# Altium PCB tester.PcbDoc (part 2 of 2)
Units mm, origin at the board's own origin, x right, y up, seen from the top; angles counter-clockwise.
Board outline 84.15 x 90.65 mm, 4 copper layers (Top Layer, Layer 2, Layer 3, Bottom Layer), stack 1.369 mm thick; 124 components, 130 nets, 531 pads, 136 vias.
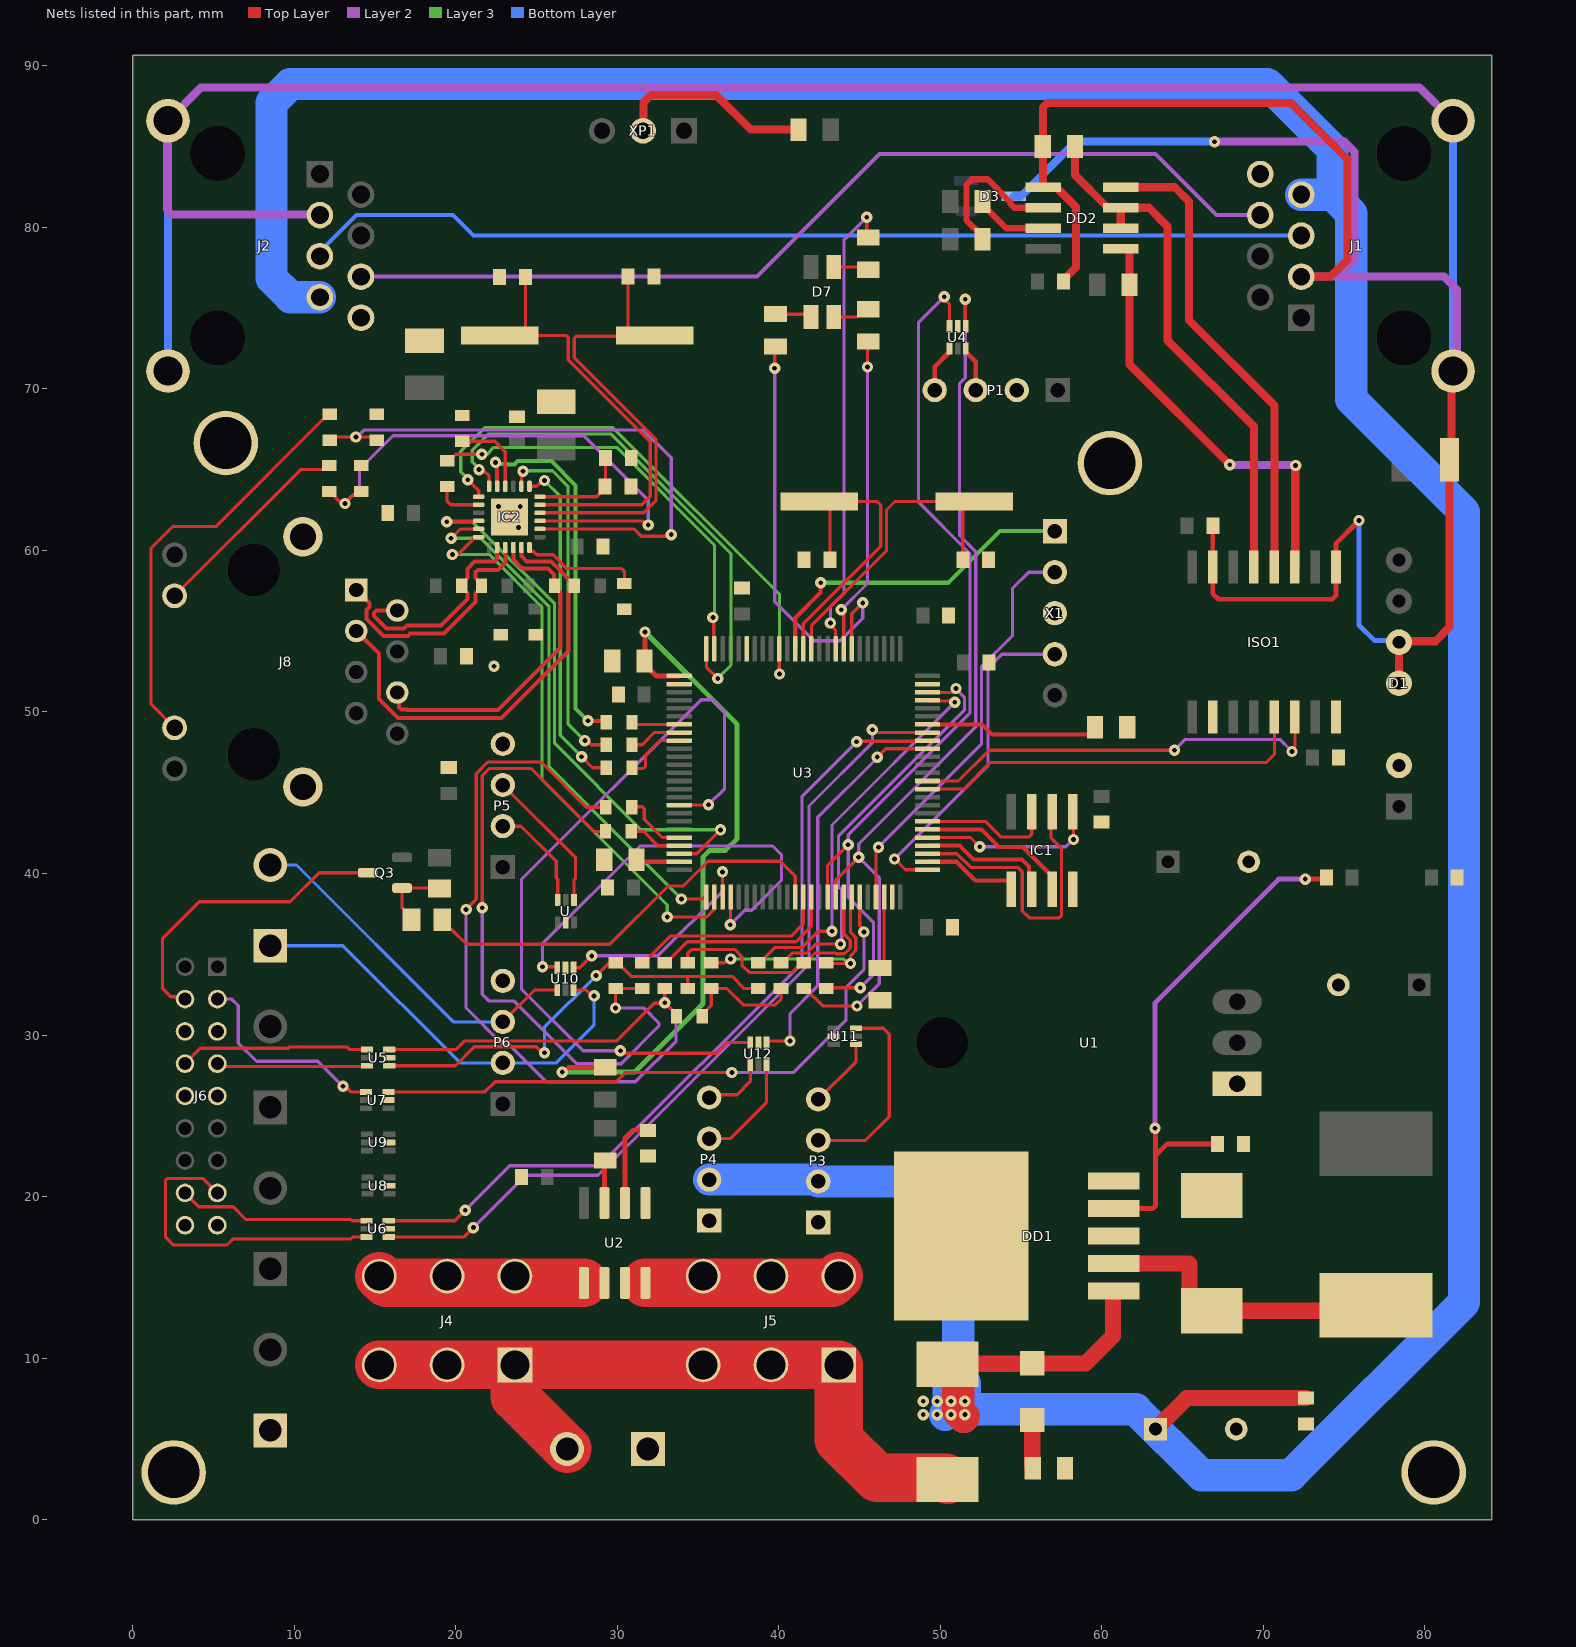
[diagram p4: the nets of this part, all layers, seen from the top]

## Via types
v1: diameter 0.7, hole 0.3, Top Layer to Bottom Layer, tented both sides, 135 vias
v2: diameter 0.7, hole 0.3, Top Layer to Bottom Layer, 1 vias

## Nets (pads, with @x,y where several pads share a name; then routed paths per layer and width w, separated by ;. In a path a pad name is that pad's centre, name@x,y a point inside that pad or via, vN(x,y) a via of type N, cw(c..) or ccw(c..) an arc to the next point about the centre after c; other vN are vias at no path point) (continued)
FAN2_IN: U3.91 U12.1 | length 24.6
  Top Layer w0.2: U12.1@39.25,29.54 39.25,29.55 39.325,29.625 v1(40.7,29.625) ; v1(46.1,47.2) 46.625,47.725 U3.91@49.205,47.725
  Layer 2 w0.2: v1(40.7,29.625) 40.7,31.325 42.425,33.05 42.425,43.475 46.1,47.15 v1(46.1,47.2)
FAN2_OUT: U3.42 U12.3 | length 48.3
  Top Layer w0.2: v1(30.201,29.025) 30.226,29.025 30.376,28.875 36.15,28.875 36.815,29.54 U12.3@38.25,29.54 ; U3.42@33.845,44.225 33.858,44.238 35.638,44.238 v1(35.65,44.25)
  Layer 2 w0.2: v1(30.201,29.025) 27.9,29.025 24.075,32.85 24.075,39.625 35.2,50.75 35.875,50.75 36.65,49.975 36.65,45.25 v1(35.65,44.25)
GND: C2.1 C3.2 C4.1 C5.2 C6.2 C9.1 C10.1 C11.2 C12.2 C13.2 C14.2 C15.1 C16.1 C17.1 C18.1 C19.2 C20.2 C21.1 C22.2 C23.2 C24.2 C25.2 C26.2 C27.2 C28.1 C29.2 C30.2 C31.2 C32.2 C33.1 C34.1 C35.2 D1.2 D2.A DD1.3 DD1.5 DD1.6 IC1.4 IC2.25 ISO1.2 ISO1.8 J1.8 J2.8 J3.1 J5.2 J5.4 J5.6 J6.5 J6.6 J6.9 J6.10 J6.17 J6.18 J7.1 J8.15 J8.16 P1.2 P3.1 P4.1 P5.4 P6.4 pad.6 R2.2 R6.2 R12.2 R25.1 R39.1 R41.2 R45.1 R46.1 U1.1 U2.3 U2.4 U2.5 U3.20 U3.27 U3.74 U3.99 U4.2 U5.2 U6.2 U7.2 U8.2 U9.2 U10.2 U11.2 U12.2 U.2 X1.3 | length 12.1
  Top Layer w3: U2.4@31.755,14.65 43.3,14.65 J5.2@43.725,15.075
  other v1: 22.375,52.825 23.9,61.425 22.65,62.725 24,62.725
GND_ISO: C1.1 C7.1 C8.1 D1.4 D1.5 D3.3 DD2.5 ISO1.9 ISO1.15 J1.3 J1.S1 J1.S2 J2.3 J2.S1 J2.S2 R7.2 | length 264.5
  Top Layer w0.3: C7.1@66.875,61.525 ISO1.15@66.875,58.965 66.875,57.325 67.225,56.975 74.275,56.975 74.495,57.195 ISO1.9@74.495,58.965 74.495,60.42 v1(75.925,61.85)
  Top Layer w0.5: C8.1@57.625,76.65 57.625,76.75 58.4,77.525 58.4,81.255 57.225,82.43 57.175,82.48 DD2.5@56.375,82.48 56.35,82.505 R7.2@56.35,85 56.35,87.407 56.643,87.7 71.725,87.7 75.2,84.225 75.2,77.975 74.17,76.945 J1.3@72.35,76.945 ; D1.4@78.4,51.775 D1.5@78.4,54.315 78.46,54.375 80.65,54.375 81.525,55.25 C1.1@81.525,65.6 81.637,65.713 81.637,70.988 J1.S1@81.75,71.1
  Layer 2 w0.5: J2.3@11.6,80.755 11.555,80.8 2.418,80.8 2.125,81.093 2.125,86.525 J2.S1@2.2,86.6 4.25,88.65 79.675,88.65 81.725,86.6 J1.S2@81.75,86.6 ; v2(66.975,85.3) 75.025,85.3 75.65,84.675 75.65,77.975 74.62,76.945 ; J1.3@72.35,76.945 74.62,76.945 ; J1.S1@81.75,71.1 81.975,71.325 81.975,76.15 81.18,76.945 74.62,76.945
  Bottom Layer w0.3: v1(75.925,61.85) 75.925,55.375 76.875,54.425 78.29,54.425 D1.5@78.4,54.315
  Bottom Layer w0.5: J2.S2@2.2,71.1 J2.S1@2.2,86.6 ; J2.3@11.53,80.825 J2.3@11.6,80.755 ; D3.3@54.55,81.925 55,81.925 58.375,85.3 v2(66.975,85.3) ; J1.S1@81.75,71.1 81.75,75.2 J1.S2@81.75,86.6
NetC9_2: C9.2 U2.6 | length 5.6
  Top Layer w0.3: U2.6@30.485,19.6 30.485,23.61 30.975,24.1 C9.2@31.9,24.1
NetC14_1: C14.1 U3.73 | length 4.5
  Top Layer w0.2: C14.1@46.275,34.15 46.525,34.4 U3.73@46.525,38.545
NetC15_2: C15.2 Q1.2 U3.12 | length 19.9
  Top Layer w0.2: U3.12@42.025,53.905 42.025,55.324 46.675,59.974 46.675,62.5 47.2,63.025 Q1.2@51.85,63.025 ; C15.2@51.4,59.425 51.4,62.575 Q1.2@51.85,63.025 ; Q1.2@52.1,63.025 Q1.2@51.85,63.025
NetC17_2: C17.2 Q1.1 U3.13 | length 18.6
  Top Layer w0.2: U3.13@41.525,53.905 41.525,55.45 46.325,60.25 46.325,62.8 46.1,63.025 Q1.1@42.725,63.025 ; Q1.1@42.5,63.025 Q1.1@42.725,63.025 ; C17.2@43.175,59.425 43.175,62.575 Q1.1@42.725,63.025
NetC21_2: C21.2 U3.49 | length 2.7
  Top Layer w0.3: C21.2@31.2,40.85 31.325,40.725 U3.49@33.845,40.725
NetC30_1: C30.1 C31.1 IC2.6 | length 6.1
  Top Layer w0.2: IC2.6@25.22,63.325 28.725,63.325 29.25,63.85 C30.1@29.25,63.95 29.275,63.975 C31.1@29.275,65.725
NetC33_2: C33.2 IC2.4 Q2.1 | length 29.8
  Top Layer w0.2: IC2.4@25.22,62.325 31.65,62.325 32.4,63.075 32.4,66.87 27.35,71.92 27.35,73.133 27.467,73.25 31.125,73.25 Q2.1@31.175,73.3 ; C33.2@30.675,76.95 30.675,73.75 31.125,73.3 Q2.1@31.175,73.3 ; Q2.1@31.175,73.2 32.225,73.2 Q2.1@32.325,73.3 32.225,73.3 Q2.1@31.175,73.3
NetC34_2: C34.2 IC2.5 Q2.2 | length 27.1
  Top Layer w0.2: Q2.2@22.725,73.3 Q2.2@23.875,73.3 ; C34.2@24.325,76.925 24.325,73.75 Q2.2@23.875,73.3 ; IC2.5@25.22,62.825 31.525,62.825 32.05,63.35 32.05,66.725 26.975,71.8 26.975,73.183 26.858,73.3 Q2.2@23.875,73.3
NetD2_C: D2.C DD1.2 L1.P$1 | length 18.7
  Top Layer w1: DD1.2@60.75,15.85 65.4,15.85 65.425,15.825 65.425,13.828 66.322,12.932 D2.C@66.8,12.932 76.632,12.932 L1.P$1@76.975,13.275
NetD4_2: D4.2 R6.1 | length 3
  Top Layer w1: D4.2@55.7,6.175 55.7,3.4 55.725,3.375 R6.1@55.725,3.175
NetD6_A: D6.A J3.2 J4.1 J4.3 J4.5 J5.1 J5.3 J5.5 | length 47.4
  Top Layer w3: J4.5@15.275,9.575 J4.1@23.675,9.575 ; J3.2@26.9,4.375 23.675,7.6 J4.1@23.675,9.575 ; D6.A@50.45,2.482 50.347,2.585 46.098,2.585 43.725,4.957 J5.1@43.725,9.575 J5.3@39.525,9.575 J5.5@35.325,9.575 J4.1@23.675,9.575
NetD7_2: D7.2 R15.2 | length 2.2
  Top Layer w0.2: D7.2@43.4,77.55 45.375,77.55 R15.2@45.55,77.375
NetD7_3: D7.3 R13.2 | length 2.3
  Top Layer w0.2: R13.2@39.8,74.625 41.825,74.625 D7.3@42,74.45
NetD7_4: D7.4 R14.2 | length 2.3
  Top Layer w0.2: D7.4@43.4,74.45 44.875,74.45 45.35,74.925 R14.2@45.55,74.925
NetDD1_4: DD1.4 R1.1 R2.1 | length 33.2
  Top Layer w0.3: DD1.4@60.75,19.25 63.149,19.25 63.325,19.426 63.325,22.55 ; v1(63.3,24.225) 63.325,24.2 63.325,22.55 ; R2.1@67.175,23.25 64.025,23.25 63.325,22.55 ; v1(72.6,39.65) 73.8,39.65 R1.1@73.9,39.75
  Layer 2 w0.3: v1(63.3,24.225) 63.3,32 70.95,39.65 v1(72.6,39.65)
NetDD2_1: DD2.1 ISO1.11 R8.2 | length 26.9
  Top Layer w0.5: DD2.1@61.175,78.67 61.675,78.67 61.725,78.62 R8.2@61.725,76.45 61.725,71.5 v1(67.925,65.3) ; ISO1.11@71.955,58.965 71.977,58.987 71.977,65.227 v1(72,65.25)
  Layer 2 w0.5: v1(67.925,65.3) 67.95,65.275 71.975,65.275 v1(72,65.25)
NetDD2_2: DD2.2 DD2.3 ISO1.13 R7.1 | length 33.4
  Top Layer w0.5: R7.1@58.35,85 58.35,83.235 60.375,81.21 DD2.3@61.175,81.21 ; DD2.2@61.175,79.94 DD2.3@61.175,81.21 ; ISO1.13@69.415,58.965 69.415,67.66 64.075,73 64.075,80.05 62.915,81.21 DD2.3@61.175,81.21
NetDD2_4: DD2.4 ISO1.12 | length 29.4
  Top Layer w0.5: DD2.4@61.175,82.48 64.52,82.48 65.4,81.6 65.4,74.25 70.685,68.965 ISO1.12@70.685,58.965
NetDD2_6: DD2.6 R5.2 | length 9.5
  Top Layer w0.381: R5.2@52.625,79.25 52.625,79.45 51.625,80.45 51.625,82.625 51.975,82.975 52.932,82.975 54.35,81.557 54.35,81.45 54.59,81.21 DD2.6@56.375,81.21
NetDD2_7: DD2.7 R4.2 | length 4.6
  Top Layer w0.381: R4.2@52.625,81.6 52.625,81.4 54.085,79.94 DD2.7@56.375,79.94
NetIC1_1: IC1.1 U3.77 | length 6.1
  Top Layer w0.254: U3.77@49.205,40.725 51,40.725 52.168,39.557 54.222,39.557 54.395,39.384 IC1.1@54.395,39.025
NetIC1_2: IC1.2 U3.79 | length 8.3
  Top Layer w0.254: U3.79@49.205,41.725 51.2,41.725 52.05,40.875 55.058,40.875 55.492,40.441 55.492,39.198 IC1.2@55.665,39.025
NetIC1_3: IC1.3 U3.81 | length 9.7
  Top Layer w0.254: U3.81@49.205,42.725 52.55,42.725 53.625,41.65 55.11,41.65 56.935,39.825 IC1.3@56.935,39.025
NetIC1_5: IC1.5 U3.80 | length 11.2
  Top Layer w0.2: U3.80@49.205,42.225 51.875,42.225 v1(52.45,41.65) ; IC1.5@58.205,43.825 58.25,43.78 v1(58.25,42.1)
  Layer 2 w0.2: v1(52.45,41.65) 57.781,41.65 58.231,42.1 v1(58.25,42.1)
NetIC1_6: IC1.6 U3.78 | length 18.2
  Top Layer w0.2: U3.78@49.205,41.225 51.033,41.225 51.883,40.375 54.799,40.375 55.075,40.099 55.075,37.675 55.5,37.25 57.383,37.25 57.5,37.367 57.5,41.55 56.85,42.2 56.85,43.74 IC1.6@56.935,43.825
NetIC1_7: IC1.7 U3.82 | length 8.3
  Top Layer w0.2: U3.82@49.205,43.225 52.8,43.225 53.775,42.25 55.475,42.25 55.665,42.44 IC1.7@55.665,43.825
NetIC2_2: IC2.2 R44.1 R46.2 | length 36.6
  Top Layer w0.2: R44.1@12.2,66.825 12.4,67.025 v1(13.825,67.025) 14.925,67.025 R46.2@15.125,66.825 ; IC2.2@25.22,61.325 31.05,61.325 31.5,60.875 32.983,60.875 32.987,60.879 33.254,60.879 v1(33.35,60.975)
  Layer 2 w0.2: v1(13.825,67.025) 13.894,67.025 14.319,67.45 31.625,67.45 33.35,65.725 v1(33.35,60.975)
NetIC2_3: IC2.3 R42.1 R45.2 | length 33.8
  Top Layer w0.2: R42.1@12.175,63.65 12.918,62.907 v1(13.15,62.907) 13.643,63.4 13.9,63.4 R45.2@14.15,63.65 ; IC2.3@25.22,61.825 31.558,61.825 31.808,61.575 v1(31.925,61.575)
  Layer 2 w0.2: v1(13.15,62.907) 14.05,63.807 14.05,65.025 16.125,67.1 27.925,67.1 31.925,63.1 v1(31.925,61.575)
NetIC2_7: IC2.7 R38.2 | length 20.9
  Top Layer w0.2: IC2.7@24.575,63.97 25.015,63.97 25.37,64.325 v1(25.5,64.325) ; v1(27.8,47.225) 28.475,46.55 R38.2@29.325,46.55
  Layer 3 w0.2: v1(25.5,64.325) 26.475,63.35 26.475,48.55 v1(27.8,47.225)
NetIC2_8: IC2.8 R37.2 | length 21.8
  Top Layer w0.2: IC2.8@24.075,63.97 24.088,63.982 24.088,64.813 v1(24.175,64.9) ; v1(28,48.225) 28.135,48.225 28.385,47.975 R37.2@29.325,47.975
  Layer 3 w0.2: v1(24.175,64.9) 24.2,64.925 26,64.925 26.95,63.975 26.95,49.275 v1(28,48.225)
NetIC2_10: IC2.10 R39.2 | length 5.1
  Top Layer w0.2: R39.2@20.4,66.75 22.425,66.75 23.075,66.1 IC2.10@23.075,63.97
NetIC2_11: IC2.11 R40.2 | length 23.3
  Top Layer w0.25: v1(22.475,65.447) 22.475,65.325 22.563,65.238 22.563,63.982 IC2.11@22.575,63.97 ; v1(28.2,49.45) 29.25,49.45 R40.2@29.325,49.375
  Layer 3 w0.25: v1(22.475,65.447) 22.561,65.361 23.183,65.361 23.219,65.325 23.641,65.325 23.841,65.525 25.93,65.525 27.425,64.03 27.425,50.225 v1(28.2,49.45)
NetIC2_14: IC2.14 R43.2 | length 2.9
  Top Layer w0.2: R43.2@19.475,63.95 19.475,63.05 19.7,62.825 IC2.14@21.43,62.825
NetIC2_24: IC2.24 R41.1 | length 7.4
  Top Layer w0.2: IC2.24@24.575,60.18 24.575,59.986 24.615,59.946 24.809,59.946 25.03,59.725 26.042,59.725 26.892,58.875 30.275,58.875 30.45,58.7 R41.1@30.45,57.95
NetJ1_5: J1.5 J2.5 | length 62.5
  Bottom Layer w0.25: J2.5@11.6,78.215 11.6,78.501 13.874,80.775 19.825,80.775 21.115,79.485 J1.5@72.35,79.485
NetJ1_6: J1.6 J2.6 | length 60.4
  Layer 2 w0.25: J2.6@14.14,76.945 38.67,76.945 46.25,84.525 63.325,84.525 67.095,80.755 J1.6@69.81,80.755
NetJ4_2: J4.2 J4.4 J4.6 U2.1 U2.2 | length 12.8
  Top Layer w3: J4.6@15.275,15.075 15.7,14.65 U2.1@27.945,14.65
NetJ6_3: J6.3 U7.4 | length 13
  Top Layer w0.2: v1(13.025,26.825) 13.16,26.825 13.51,26.475 U7.4@14.46,26.475
  Layer 2 w0.2: J6.3@5.25,32.225 6.15,32.225 6.55,31.825 6.55,29.5 7.675,28.375 11.475,28.375 v1(13.025,26.825)
NetJ6_4: J6.4 Q3.3 | length 19.1
  Top Layer w0.2: J6.4@3.25,32.225 3.1,32.375 2.375,32.375 1.85,32.9 1.85,35.958 4.142,38.25 9.75,38.25 11.55,40.05 Q3.3@14.565,40.05
NetJ6_7: J6.7 U5.6 | length 9.4
  Top Layer w0.2: J6.7@5.25,28.225 5.425,28.05 14.46,28.05 U5.6@14.51,28.1
NetJ6_8: J6.8 U5.4 | length 11.7
  Top Layer w0.2: J6.8@3.25,28.225 4.2,29.175 9.637,29.175 9.712,29.25 13.299,29.25 13.449,29.1 U5.4@14.51,29.1
NetJ6_15: J6.15 U6.6 | length 20
  Top Layer w0.2: J6.15@5.25,20.225 4.35,21.125 2.167,21.125 2.05,21.008 2.05,17.475 2.525,17 5.85,17 6.225,17.375 13.524,17.375 13.649,17.5 U6.6@14.485,17.5
NetJ6_16: J6.16 U6.4 | length 11.9
  Top Layer w0.2: J6.16@3.25,20.225 4.1,19.375 6.225,19.375 7.025,18.575 13.524,18.575 13.599,18.5 U6.4@14.485,18.5
NetJ8_10: J8.10 R42.2 | length 12.9
  Top Layer w0.2: J8.10@2.6,57.185 10.415,65 11.925,65 R42.2@12.175,65.25
NetJ8_11: J8.11 R44.2 | length 26.2
  Top Layer w0.2: J8.11@2.6,49.015 1.15,50.465 1.15,60.15 2.475,61.475 5.15,61.475 12.1,68.425 R44.2@12.2,68.425
NetP1_3: P1.3 U4.6 | length 2.8
  Top Layer w0.3: U4.6@51.575,72.495 51.575,72.295 52.2,71.67 P1.3@52.2,69.925
NetP1_4: P1.4 U4.4 | length 2.9
  Top Layer w0.3: P1.4@49.66,69.925 49.66,71.38 50.575,72.295 U4.4@50.575,72.495
NetP3_3: P3.3 U11.6 | length 12.3
  Top Layer w0.2: P3.3@42.45,23.475 45.375,23.475 46.85,24.95 46.85,30.049 46.474,30.425 U11.6@44.79,30.425
NetP3_4: P3.4 U11.4 | length 4.4
  Top Layer w0.2: P3.4@42.45,26.015 44.79,28.355 U11.4@44.79,29.425
NetP4_3: P4.3 U12.6 | length 6.8
  Top Layer w0.2: P4.3@35.7,23.59 36.99,23.59 39.25,25.85 U12.6@39.25,28.16
NetP4_4: P4.4 U12.4 | length 4
  Top Layer w0.2: P4.4@35.7,26.13 35.87,26.3 37.425,26.3 38.25,27.125 U12.4@38.25,28.16
NetP5_2: P5.2 U.6 | length 6.6
  Top Layer w0.2: P5.2@22.925,42.935 22.935,42.925 24.05,42.925 26.225,40.75 26.225,39.74 26.325,39.64 U.6@26.325,38.355
NetP5_3: P5.3 U.4 | length 9
  Top Layer w0.2: P5.3@22.925,45.475 27.425,40.975 27.425,39.714 27.325,39.614 U.4@27.325,38.355
NetQ3_1: Q3.1 R47.1 R48.2 | length 4.5
  Top Layer w0.2: R48.2@17.275,37.125 17.275,37.275 16.685,37.865 Q3.1@16.685,39.1 18.975,39.1 R47.1@19,39.075
NetR3_1: R3.1 XP1.2 | length 12.4
  Top Layer w0.5: XP1.2@31.6,85.975 31.625,86 31.625,87.725 32.1,88.2 36.125,88.2 38.275,86.05 R3.1@41.225,86.05
NetR9_1: R9.1 U2.7 | length 2.6
  Top Layer w0.3: U2.7@29.215,19.6 29.215,22.165 R9.1@29.275,22.225
NetR10_1: R10.1 U3.98 | length 25.5
  Top Layer w0.2: R10.1@40.144,34.475 40.244,34.475 40.844,35.075 41.755,35.075 42.307,35.627 v1(43.827,35.627) ; U3.98@49.205,51.225 49.23,51.2 50.833,51.2 50.975,51.342 v1(50.975,51.447)
  Layer 2 w0.2: v1(43.827,35.627) 43.9,35.7 43.9,38.976 43.7,39.176 43.7,42.295 51.5,50.095 51.5,50.922 v1(50.975,51.447)
NetR11_1: R11.1 U3.97 | length 24.5
  Top Layer w0.2: R11.1@38.725,34.475 38.825,34.475 39.775,35.425 41.45,35.425 42.45,36.425 v1(43.3,36.425) ; U3.97@49.205,50.725 49.245,50.685 50.815,50.685 v1(50.9,50.6)
  Layer 2 w0.2: v1(43.3,36.425) 43.3,43 v1(50.9,50.6)
NetR12_1: R12.1 U3.94 | length 10.9
  Top Layer w0.254: U3.94@49.205,49.225 52.575,49.225 53.2,48.6 59.202,48.6 59.575,48.973 R12.1@59.575,49.05
NetR13_1: R13.1 U3.7 | length 26.9
  Top Layer w0.2: v1(39.75,71.275) 39.75,72.575 R13.1@39.8,72.625 ; U3.7@44.525,53.905 44.525,56.075 v1(45.2,56.75)
  Layer 2 w0.2: v1(39.75,71.275) 39.75,56.825 42.175,54.4 43.8,54.4 45.2,55.8 v1(45.2,56.75)
NetR14_1: R14.1 U3.8 | length 19.8
  Top Layer w0.2: v1(43.875,56.325) 43.875,56.19 44.025,56.04 U3.8@44.025,53.905 ; v1(45.5,71.35) 45.5,72.875 R14.1@45.55,72.925
  Layer 2 w0.2: v1(43.875,56.325) 45.5,57.95 v1(45.5,71.35)
NetR15_1: R15.1 U3.9 | length 29.1
  Top Layer w0.2: v1(43.2,55.5) 43.2,55.365 43.525,55.04 U3.9@43.525,53.905 ; v1(45.45,80.625) 45.45,79.475 R15.1@45.55,79.375
  Layer 2 w0.2: v1(43.2,55.5) 43.2,56.499 44.05,57.349 44.05,79.225 v1(45.45,80.625)
NetR18_1: R18.1 R20.1 U3.69 | length 14.8
  Top Layer w0.2: R20.1@35.825,34.475 36.665,34.475 36.89,34.7 v1(37.025,34.7) ; R18.1@42.95,34.475 43,34.425 v1(44.45,34.425) 44.45,34.906 44.777,35.233 44.777,36.02 44.45,36.347 44.45,38.47 U3.69@44.525,38.545
  Layer 3 w0.2: v1(37.025,34.7) 44.04,34.7 44.315,34.425 v1(44.45,34.425)
NetR19_1: R19.1 R21.1 U3.68 | length 15.5
  Top Layer w0.2: R21.1@34.375,34.475 34.375,35.05 34.625,35.3 37.274,35.3 37.722,34.851 37.722,34.324 38.171,33.875 40.85,33.875 41.45,34.475 R19.1@41.55,34.475 ; R19.1@41.65,34.475 42.25,35.075 43.504,35.075 43.552,35.027 44.076,35.027 44.427,35.378 44.427,35.875 44.025,36.277 U3.68@44.025,38.545
NetR22_1: R22.1 U3.64 | length 11.8
  Top Layer w0.2: R22.1@32.95,34.475 33.05,34.475 34.35,35.775 41.075,35.775 42.025,36.725 U3.64@42.025,38.545
NetR23_1: R23.1 U3.63 | length 12.6
  Top Layer w0.2: R23.1@31.55,34.475 31.65,34.475 33.3,36.125 40.775,36.125 41.525,36.875 U3.63@41.525,38.545
NetR24_1: R24.1 R25.2 U3.26 | length 44.5
  Top Layer w0.3: v1(26.6,27.7) 26.708,27.7 27.008,28 R24.1@29.275,28 ; v1(31.725,54.95) 31.725,53.175 R25.2@31.7,53.15 31.7,52.95 32.425,52.225 U3.26@33.845,52.225
  Layer 3 w0.3: v1(26.6,27.7) 31.075,27.7 35.325,31.95 35.325,41.025 35.725,41.425 36.7,41.425 37.425,42.15 37.425,49.25 v1(31.725,54.95)
NetR26_1: R26.1 U3.47 | length 3.3
  Top Layer w0.2: R26.1@30.875,42.6 31.65,42.6 32.525,41.725 U3.47@33.845,41.725
NetR27_1: R27.1 U3.46 | length 4.1
  Top Layer w0.2: R27.1@30.9,44.1 30.925,44.125 31.558,44.125 31.675,44.008 31.675,43.35 32.8,42.225 U3.46@33.845,42.225
NetU3_72: U3.72 X1.2 | length 25.6
  Top Layer w0.2: U3.72@46.025,38.545 46.025,41.34 46.175,41.49 v1(46.175,41.625)
  Layer 2 w0.2: v1(46.175,41.625) 52.55,48 52.55,52.795 54.475,54.72 54.475,57.65 55.475,58.65 X1.2@57.1,58.65
NetU3_76: U3.76 X1.4 | length 21
  Top Layer w0.2: v1(47.175,40.9) 47.85,40.225 U3.76@49.205,40.225
  Layer 2 w0.2: v1(47.175,40.9) 52.95,46.675 52.95,52.7 53.82,53.57 X1.4@57.1,53.57
OLED_CLK: R19.2 U3.67 U4.1 | length 56.9
  Top Layer w0.2: R19.2@41.55,32.875 41.65,32.875 42.725,31.8 v1(44.85,31.8) ; U3.67@43.525,38.545 43.525,39.575 v1(44.95,41) ; v1(51.55,75.55) 51.563,75.537 51.563,73.888 U4.1@51.575,73.875
  Layer 2 w0.2: v1(44.85,31.8) 46.225,33.175 46.225,39.725 v1(44.95,41) 44.95,41.825 52.2,49.075 52.2,59.923 51.2,60.923 51.2,70.339 51.55,70.689 v1(51.55,75.55)
OLED_DAT: R18.2 U3.66 U4.3 | length 56.7
  Top Layer w0.2: R18.2@42.95,32.875 43,32.925 v1(45.05,32.925) ; U3.66@43.025,38.545 43.025,40.5 v1(44.3,41.775) ; v1(50.25,75.7) 50.25,75.565 50.575,75.24 U4.3@50.575,73.875
  Layer 2 w0.2: v1(45.05,32.925) 45.875,33.75 45.875,36.952 44.3,38.527 v1(44.3,41.775) 44.3,42.4 51.85,49.95 51.85,59.778 48.66,62.968 48.66,74.11 v1(50.25,75.7)
P1_RX_N: IC2.22 J8.6 R28.1 | length 21
  Top Layer w0.25: J8.6@16.39,51.2 16.493,51.097 16.493,50.284 16.64,50.138 17.002,50.138 17.015,50.125 22.625,50.125 26.486,53.985 26.486,57.365 26.125,57.725 R28.1@26.125,57.825 26.096,57.854 26.096,58.504 25.725,58.875 24.21,58.875 24.17,58.915 24.094,58.915 23.571,59.438 23.571,60.176 IC2.22@23.575,60.18
P1_RX_P: IC2.23 J8.3 R29.1 | length 27.6
  Top Layer w0.25: J8.3@13.85,55.01 15.25,53.61 15.25,50.815 16.431,49.634 16.793,49.634 16.806,49.621 22.834,49.621 25.078,51.865 25.256,52.044 26.99,53.777 26.99,57.365 27.35,57.725 27.35,57.925 27.125,58.15 27.046,58.15 26.546,58.65 26.546,58.69 25.911,59.325 24.396,59.325 24.202,59.519 24.075,59.646 IC2.23@24.075,60.18
P1_TX_N: IC2.20 J8.2 R30.1 | length 13.5
  Top Layer w0.25: J8.2@16.39,56.28 15.094,56.28 14.947,56.134 14.947,55.926 15.71,55.164 16.793,55.164 16.979,55.35 19.086,55.35 20.736,57 20.736,57.364 20.375,57.725 R30.1@20.375,57.825 20.375,57.925 20.736,58.286 20.736,58.862 21.177,59.304 22.419,59.304 22.575,59.46 IC2.20@22.575,60.18
P1_TX_P: IC2.21 J8.1 R31.1 | length 15.4
  Top Layer w0.25: J8.1@13.85,57.55 14.671,56.729 14.671,56.494 14.497,56.32 14.497,55.74 15.523,54.714 17.056,54.714 17.188,54.846 19.294,54.846 21.24,56.791 21.24,57.365 21.6,57.725 R31.1@21.6,57.825 21.6,57.925 21.24,58.285 21.24,58.653 21.386,58.8 22.628,58.8 23.079,59.251 23.079,60.176 IC2.21@23.075,60.18
PIC_SCL: U3.92 U6.3 | length 51.7
  Top Layer w0.2: U6.3@15.865,18.5 19.95,18.5 v1(20.6,19.15) ; v1(44.825,48.15) 44.863,48.188 49.167,48.188 U3.92@49.205,48.225
  Layer 2 w0.2: v1(20.6,19.15) 23.35,21.9 28.895,21.9 41.45,34.455 41.45,44.775 v1(44.825,48.15)
PIC_SDA: U3.93 U6.1 | length 52.6
  Top Layer w0.2: U6.1@15.865,17.5 20.525,17.5 v1(21.1,18.075) ; v1(45.8,48.9) 45.935,48.9 46.11,48.725 U3.93@49.205,48.725
  Layer 2 w0.2: v1(21.1,18.075) 24.35,21.325 28.815,21.325 41.875,34.385 41.875,44.175 45.8,48.1 v1(45.8,48.9)
PWR3v: R48.1 U3.62 | length 26.3
  Top Layer w0.2: R48.1@19.175,37.125 19.175,36.975 19.625,36.525 19.775,36.525 20.675,35.625 29.551,35.625 33.151,39.225 34.098,39.225 35.623,40.75 40.1,40.75 41.025,39.825 U3.62@41.025,38.545
RESET: U3.14 X1.1 | length 20.6
  Top Layer w0.254: U3.14@41.025,53.905 41.025,55.804 42.6,57.379 v1(42.6,58)
  Layer 3 w0.254: v1(42.6,58) 50.5,58 53.69,61.19 X1.1@57.1,61.19
RESET_A: U3.70 U7.3 | length 38.3
  Top Layer w0.2: U7.3@15.84,26.475 21.816,26.475 22.441,27.1 29.929,27.1 30.504,27.675 v1(37.1,27.675) ; U3.70@45.025,38.545 45.025,36.76 45.275,36.51 v1(45.275,36.375)
  Layer 2 w0.2: v1(37.1,27.675) 40.9,27.675 44.175,30.95 44.175,32.95 45.275,34.05 v1(45.275,36.375)
RMII_CRS_DV: R40.1 U3.32 | length 3
  Top Layer w0.2: R40.1@30.925,49.375 31.075,49.225 U3.32@33.845,49.225
RMII_MDC: IC2.13 U3.16 | length 34.4
  Top Layer w0.2: v1(20.75,64.375) 21.43,63.695 IC2.13@21.43,63.325 ; U3.16@40.025,53.905 40.038,53.892 40.038,52.362 v1(40.05,52.35)
  Layer 3 w0.2: v1(20.75,64.375) 20.75,64.444 20.325,64.869 20.325,66.125 21.8,67.6 29.74,67.6 40.05,57.29 v1(40.05,52.35)
RMII_MDIO: IC2.12 U3.25 | length 32.5
  Top Layer w0.2: v1(21.45,65) 21.546,64.904 21.786,64.904 22.075,64.615 IC2.12@22.075,63.97 ; U3.25@35.525,53.905 35.525,52.775 v1(36.225,52.075)
  Layer 3 w0.2: v1(21.45,65) 21.45,65.069 21.025,65.494 21.025,66.199 22.026,67.2 29.645,67.2 37.05,59.795 37.05,52.9 v1(36.225,52.075)
RMII_REF_CLK: R43.1 U3.24 | length 26
  Top Layer w0.2: R43.1@19.475,65.55 19.55,65.475 20.025,65.95 v1(21.625,65.95) ; v1(35.925,55.851) 35.985,55.791 35.985,53.945 U3.24@36.025,53.905
  Layer 3 w0.2: v1(21.625,65.95) 21.95,65.95 22.375,66.375 29.975,66.375 36.025,60.325 36.025,55.951 v1(35.925,55.851)
RMII_RXD0: R37.1 U3.33 | length 3.2
  Top Layer w0.2: R37.1@30.925,47.975 31.55,47.975 32.3,48.725 U3.33@33.845,48.725
RMII_RXD1: R38.1 U3.34 | length 4.1
  Top Layer w0.2: R38.1@30.925,46.55 30.975,46.5 31.633,46.5 31.75,46.617 31.75,47.325 32.65,48.225 U3.34@33.845,48.225
RMII_TX_EN: IC2.16 U3.48 | length 35.1
  Top Layer w0.2: v1(19.45,61.775) 19.475,61.8 21.405,61.8 IC2.16@21.43,61.825 ; U3.48@33.845,41.225 34.925,41.225 v1(36.4,42.7)
  Layer 3 w0.2: v1(19.45,61.775) 21.04,61.775 26.125,56.69 26.125,48.05 31.475,42.7 v1(36.4,42.7)
RMII_TXD0: IC2.17 U3.51 | length 32.9
  Top Layer w0.2: v1(19.725,60.75) 20.3,61.325 IC2.17@21.43,61.325 ; v1(33.975,38.425) 35.285,38.425 35.485,38.625 35.525,38.585 U3.51@35.525,38.545
  Layer 3 w0.2: v1(19.725,60.75) 21.57,60.75 25.775,56.545 25.775,46.625 v1(33.975,38.425)
RMII_TXD1: IC2.18 U3.52 | length 35.2
  Top Layer w0.2: v1(19.8,59.75) 19.896,59.846 20.246,59.846 21.225,60.825 IC2.18@21.43,60.825 ; v1(33.1,37.3) 35.533,37.3 35.985,37.752 35.985,38.505 U3.52@36.025,38.545
  Layer 3 w0.2: v1(19.8,59.75) 22.075,59.75 25.35,56.475 25.35,45.8 33.1,38.05 v1(33.1,37.3)
RX: ISO1.6 U3.87 | length 26.2
  Top Layer w0.2: U3.87@49.205,45.725 51.125,45.725 53.025,47.625 v1(64.5,47.625) ; v1(71.775,47.55) 71.775,47.685 71.955,47.865 ISO1.6@71.955,49.685
  Layer 2 w0.2: v1(64.5,47.625) 65.175,48.3 71.025,48.3 v1(71.775,47.55)
TIM15_CH1_B1: U3.53 U10.1 | length 13.9
  Top Layer w0.2: U10.1@27.3,34.165 27.69,34.165 v1(28.425,34.9) ; U3.53@36.525,38.545 v1(36.525,40.1)
  Layer 2 w0.2: v1(28.425,34.9) 32.525,34.9 36.525,38.9 v1(36.525,40.1)
TIM15_CH1_B1_z: J11.1 P6.2 U10.6 | length 27.3
  Top Layer w0.2: U10.6@27.3,32.785 28.08,32.785 28.44,32.425 v1(28.575,32.425)
  Bottom Layer w0.2: J11.1@8.525,35.525 13.025,35.525 20.28,28.27 P6.2@22.925,28.27 26.22,28.27 28.575,30.625 v1(28.575,32.425)
TIM15_CH2_B2: U3.54 U10.3 | length 27.5
  Top Layer w0.2: v1(25.375,34.225) 26.24,34.225 U10.3@26.3,34.165 ; v1(37,36.825) 37.012,36.837 37.012,38.533 U3.54@37.025,38.545
  Layer 2 w0.2: v1(25.375,34.225) 25.375,35.65 31.425,41.7 39.625,41.7 40.175,41.15 40.175,39.575 38.325,37.725 37.9,37.725 v1(37,36.825)
TIM15_CH2_B2_z: J11.2 P6.3 U10.4 | length 22.6
  Top Layer w0.2: P6.3@22.925,30.81 24.9,32.785 U10.4@26.3,32.785
  Bottom Layer w0.2: J11.2@8.525,40.525 10.15,40.525 19.865,30.81 P6.3@22.925,30.81
TX: ISO1.5 U3.86 | length 24.7
  Top Layer w0.2: U3.86@49.205,45.225 51.45,45.225 53.1,46.875 70.2,46.875 70.692,47.367 70.692,48.057 70.685,48.065 ISO1.5@70.685,49.685
UART_1_RX: R10.2 R17.2 R20.2 | length 7.5
  Top Layer w0.2: R17.2@35.275,31.175 35.275,31.275 35.825,31.825 R20.2@35.825,32.875 36.8,32.875 37.825,31.85 39.769,31.85 40.144,32.225 R10.2@40.144,32.875
UART_1_TX: l.1 R11.2 R21.2 U5.1 | length 28
  Top Layer w0.2: U5.1@15.89,28.1 19.995,28.1 21.165,29.27 24.995,29.27 25.365,28.9 v1(25.5,28.9) ; v1(28.7,33.675) 29.5,34.475 l.1@29.925,34.475 ; l.1@30.025,34.475 30.875,33.625 34.375,33.625 ; R21.2@34.375,32.875 34.375,33.625 ; R11.2@38.725,32.875 37.875,32.875 37.125,33.625 34.375,33.625
  Bottom Layer w0.2: v1(25.5,28.9) 25.5,30.475 v1(28.7,33.675)
UART_2_RX: R17.1 R22.2 R27.2 U5.3 | length 63.6
  Top Layer w0.2: U5.3@15.89,29.1 20.02,29.1 20.545,29.625 29.953,29.625 32.3,31.972 32.719,31.972 32.788,31.904 32.788,31.838 32.788,32.163 v1@32.95,32.325 ; v1(20.65,37.775) 21.275,38.4 21.275,46.175 22,46.9 25.3,46.9 28.1,44.1 R27.2@29.3,44.1 ; R22.2@32.95,32.875 v1@32.95,32.325 ; R17.1@33.675,31.175 33.675,31.275 v1(32.95,32) v1@32.95,32.325
  Layer 2 w0.2: v1(20.65,37.775) 20.65,31.671 22.946,29.375 23.35,29.375 25.625,27.1 31.125,27.1 33.65,29.625 33.65,31.3 v1(32.95,32)
UART_2_TX: l.2 R23.2 R26.2 | length 42.7
  Top Layer w0.2: v1(21.65,37.875) 21.65,46.055 22.095,46.5 24.675,46.5 28.575,42.6 R26.2@29.275,42.6 ; v1(29.9,31.675) 29.9,32.85 l.2@29.925,32.875 R23.2@31.55,32.875
  Layer 2 w0.2: v1(21.65,37.875) 21.65,32.525 22.075,32.1 23.625,32.1 27.5,28.225 30.25,28.225 32.592,30.567 32.592,30.733 31.65,31.675 v1(29.9,31.675)
V_24pwr: C2.2 C3.1 D4.1 D6.C DD1.1 J1.7 J2.7 P3.2 P4.2 | length 253.9
  Top Layer w1: D6.C@51.45,9.647 55.672,9.647 D4.1@55.7,9.675 59,9.675 60.7,11.375 60.7,14.125 60.725,14.15 DD1.1@60.75,14.15 ; C3.1@63.325,5.6 65.25,7.525 C2.2@72.65,7.525
  Top Layer w2: D6.C@50.45,9.618 50.958,9.618 51.125,9.452 51.125,6.7 v1@51.45,6.375
  Bottom Layer w2: J2.7@11.6,75.675 9.772,75.675 8.6,76.847 8.6,87.703 9.772,88.875 70.25,88.875 74.278,84.847 74.278,82.025 ; P4.2@35.7,21.05 42.335,21.05 P3.2@42.45,20.935 48.19,20.935 51.125,18 51.125,10.35 51.125,8.85 51.525,8.45 v1(51.525,7.325) 51.525,7.2 51.525,6.45 v1@51.45,6.375 ; 50.3,6.5 50.625,6.825 62.1,6.825 66.175,2.75 71.725,2.75 82.425,13.45 82.425,62.375 75.45,69.35 75.45,80.853 74.278,82.025 ; v1@50.525,7.2 50.525,7.325 50.525,8.45 ; J1.7@72.35,82.025 74.278,82.025
  other v1: 48.95,6.5 49.808,6.5 50.667,6.5 51.525,6.5 48.95,7.325 49.808,7.325 50.667,7.325
pads on no net: ISO1.3 ISO1.14 J1. J2. J6.1 J6.2 J8. J8.7 J8.8 U1. U3.1 U3.2 U3.3 U3.4 U3.5 U3.10 U3.11 U3.15 U3.17 U3.18 U3.19 U3.29 U3.30 U3.35 U3.36 U3.37 U3.38 U3.39 U3.41 U3.43 U3.44 U3.45 U3.65 U3.71 U3.83 U3.84 U3.88 U3.89 U3.90 U3.95 U3.96 XP1.3

## Polygon pours and split planes (outlines as drawn)
GND on Bottom Layer "NONET_L-01_P-001" (solid, remove dead copper, pour order 8): 0,90.65 84.15,90.65 84.15,0 0,0
V_24pwr on Bottom Layer "NONET_L-01_P-001" (solid, remove dead copper, pour order 6): 47.65,11.95 54.05,11.95 54.075,11.975 54.075,5.1 54.05,5.075 47.65,5.075
GND on Top Layer "NONET_L-01_P-001" (solid, remove dead copper, pour order 10): 0,90.65 84.15,90.65 84.15,0 0,0
V_24pwr on Top Layer "NONET_L-01_P-001" (solid, remove dead copper, pour order 9): 47.65,11.95 54.05,11.95 54.075,11.975 54.075,5.1 54.05,5.075 47.65,5.075
+3.3v on Layer 3 "NONET_L-01_P-001" (solid, remove dead copper, pour order 5): 0,90.65 84.15,90.65 84.15,0 0,0
GND on Layer 2 "NONET_L-01_P-001" (solid, remove dead copper, pour order 7): 0,90.65 84.15,90.65 84.15,0 0,0

## Keep-outs
Keep-Out Layer:
  the board outline again, w0.3

## Silkscreen, mask and mechanical layers (free items; w line width, h text height)
Top Overlay:
  lines w0.2: 31.6,84.705 31.6,82.475 34.25,82.475 34.25,84.675
  text "Terminator" at 24.629,88.004 h1.52
  text "RS485" at 64.954,87.996 h1.52 r270
  text "RS485" at 18.796,80.954 h1.52 r90
  text "LC" at 52.7,71.8 h1
  text "SWD" at 60.15,55.575 h1 r90
  text "ENC" at 21.65,50.05 h1
  text "B2" at 11.55,40.2 h1 r90
  text "BNT" at 21.575,35.35 h1
  text "B1" at 11.45,34.7 h1 r90
  text "+5v" at 67.125,33.625 h1
  text "B2" at 19.225,30.3 h1
  text "A1" at 11.3,30.175 h1 r90
  text "+3v" at 71.875,28.475 h1 r90
  text "B1" at 19.225,27.737 h1
  text "B3" at 19.225,25.175 h1
  text "A2" at 11.525,23.825 h1 r90
  text "F2" at 38.725,21.275 h1 r90
  text "F1" at 45.45,21.225 h1 r90
  text "B3" at 11.525,20.05 h1 r90
  text "PL" at 11.425,14.775 h1 r90
  text "A0" at 11.425,9.75 h1 r90